# Allegro board 20173009_BALENA-FIN_V10.brd (continued)
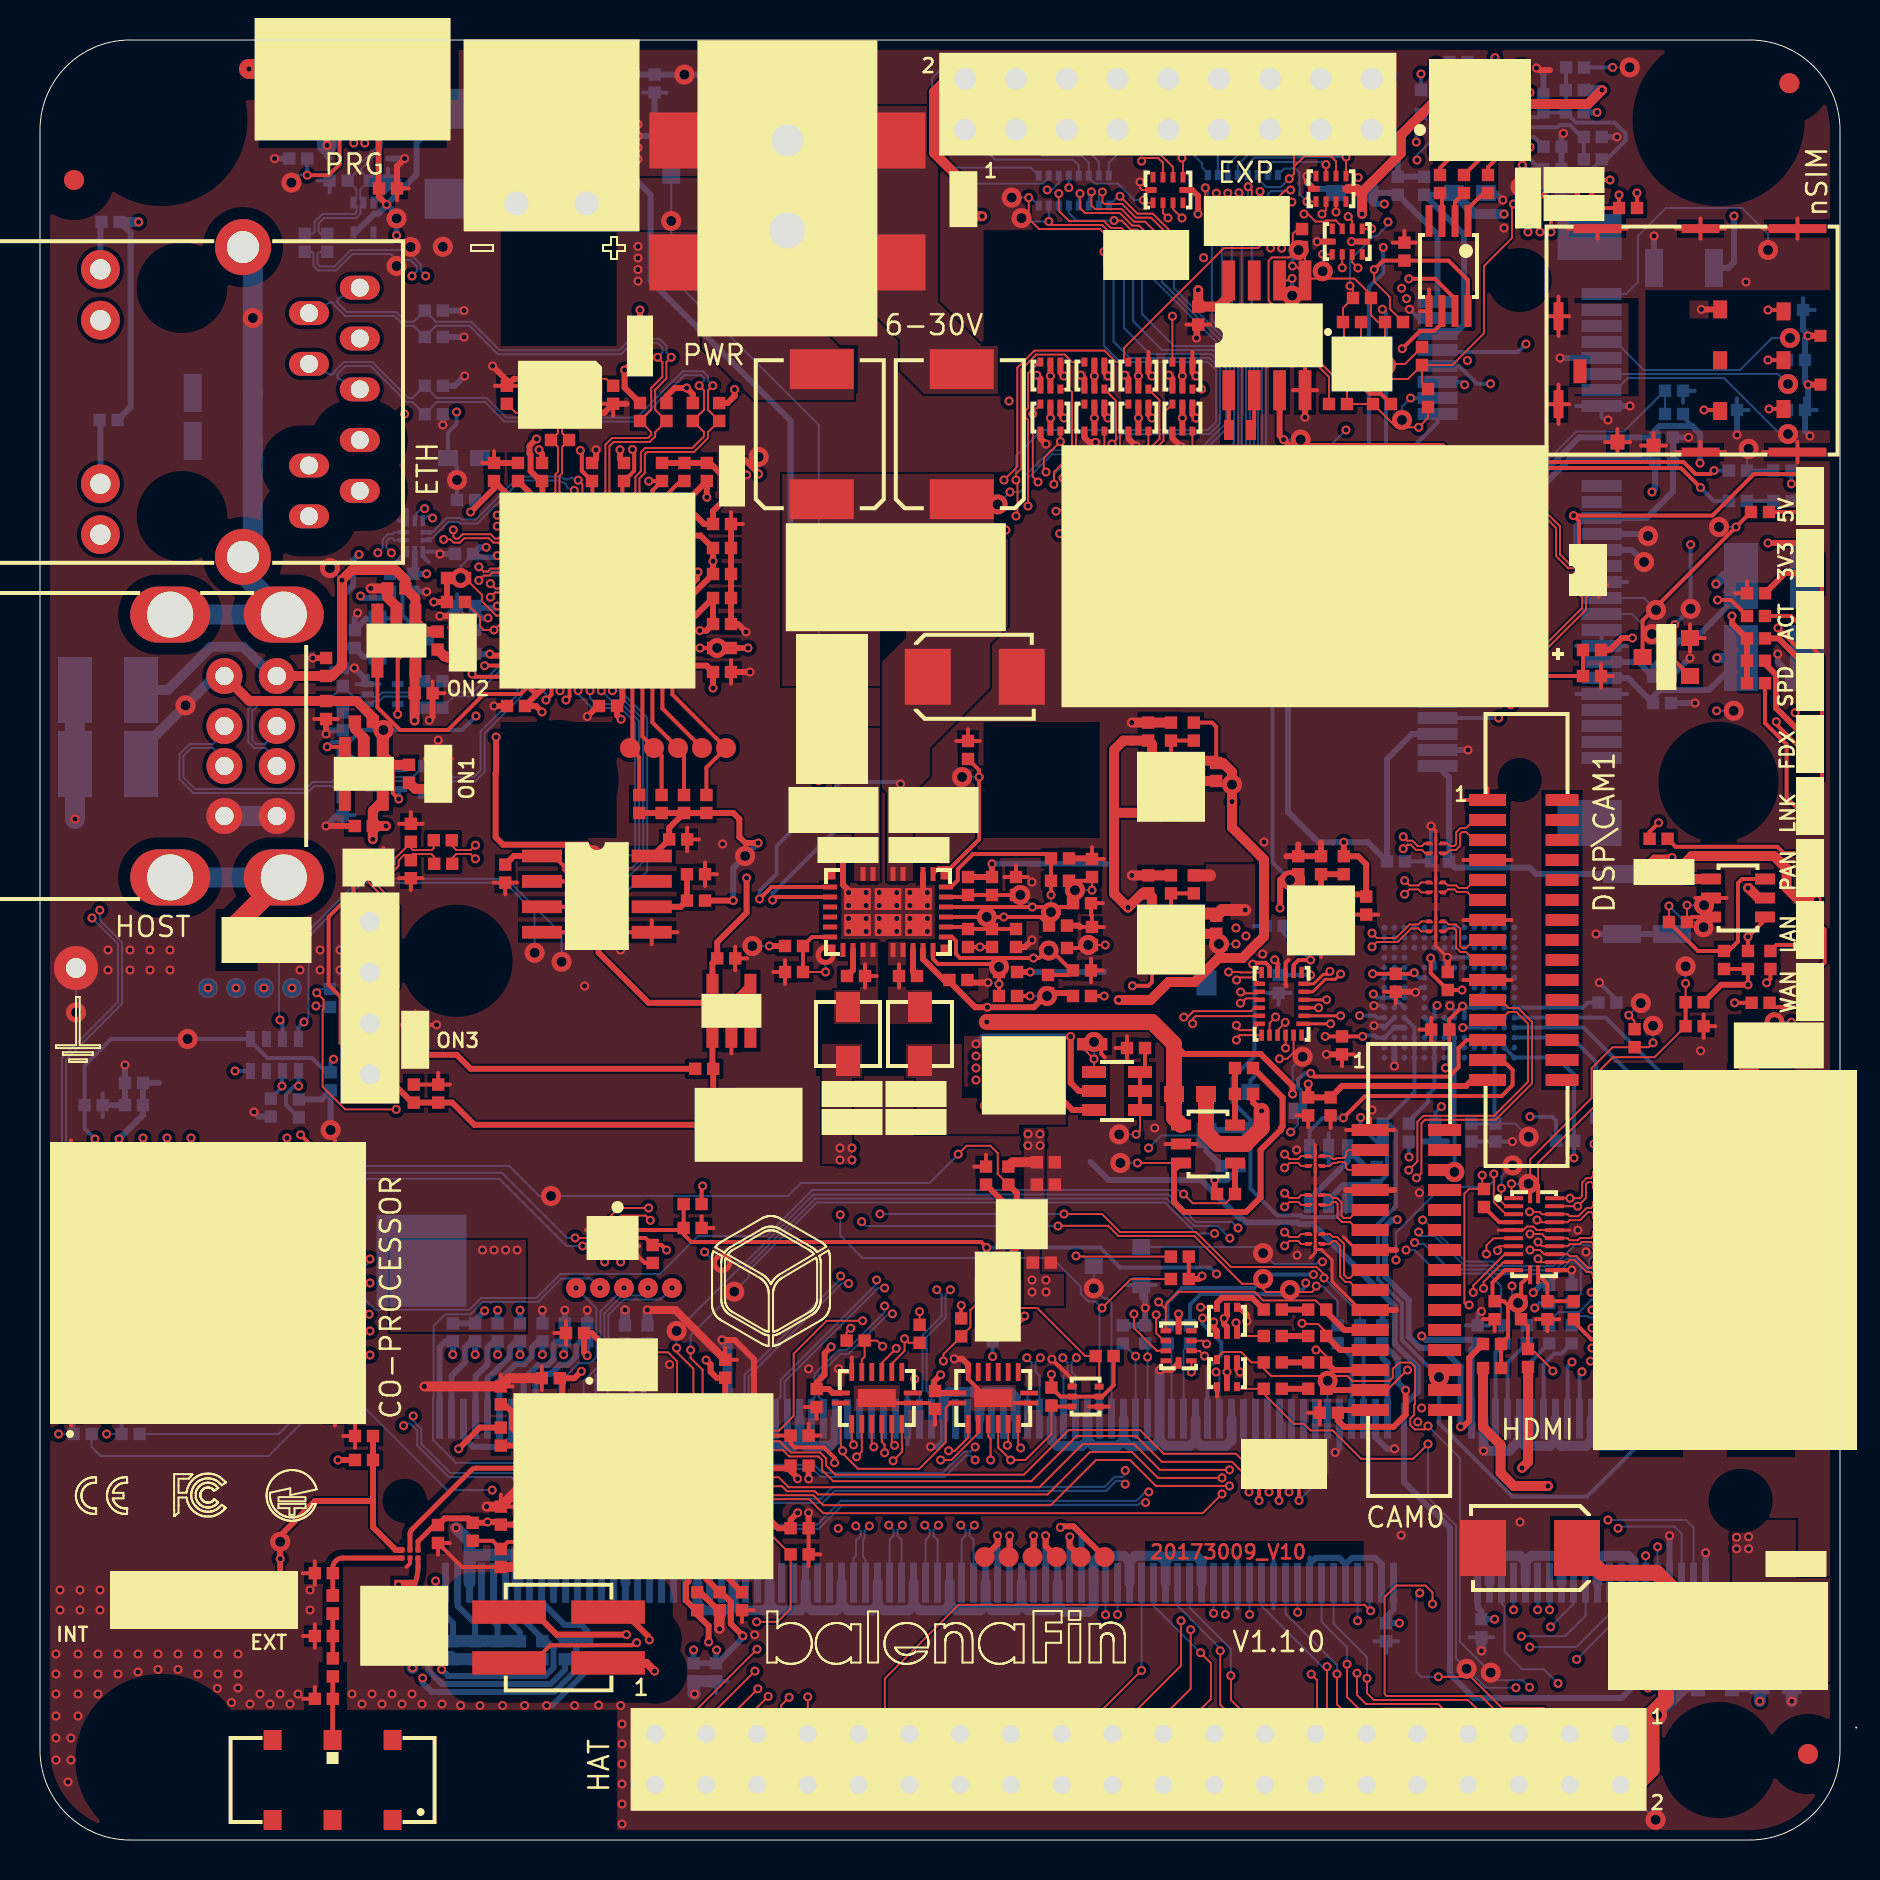
[diagram p0: board, top side]
## Routing (per net, layer and track width the routed paths; a pad name or vN(x,y) marks a point on that pad's centre or on a via; arc(x,y) is an arc through that point) (continued)
GND_EARTH: length 48.2
  TOP w1: C134.2 9.83,45.77 J11.11
  GND w1: J11.12 J11.9
  BOTTOM w1: J11.12 J11.11 ; J20.16 10.64,79.16 v2(10.64,76.1) R96.2 C71.2 10.64,64.65 J20.15 10.15,63.31 J11.10 J11.9
VDDM: length 7
  BOTTOM w0.1: C107.2 73.77,35.82 v2(74.43,35.16)
  BOTTOM w0.2: U17.C2 U17.C1 72.72,36.41 72.77,36.36 C107.2 C108.2
VIN_CON: length 2.6
  BOTTOM w0.1: J21.1 v2(27.33,84.4)
+VALIM: length 14.3
  TOP w0.2: U27.11 36.57,47.65 v1(35.98,47.05)
  BOTTOM w0.2: v1(43.03,52.8) 42.93,52.9 40.03,52.9 36.83,49.7 36.83,48.3 35.98,47.45 v1(35.98,47.05)
ARTIK-RX_CM3-TX: length 20.4
  TOP w0.1: MOD2.23 v1(11.15,31.9) ; U29.5 v1(27.13,29.7)
  BOTTOM w0.1: v1(11.15,31.9) 11.15,32.29 11.92,33.06 22.97,33.06 26.33,29.7 v1(27.13,29.7)
ARTIK-TX_CM3-RX: length 21.5
  TOP w0.1: MOD2.24 v1(9.95,31.9) ; U29.4 27.13,30.1 27.13,30.1 v1(26.76,30.1)
  BOTTOM w0.1: v1(26.76,30.1) 26.35,30.1 23.09,33.36 11.41,33.36 v1(9.95,31.9)
BT_PCM_CLK: length 85.9
  TOP w0.1: U33.6 48.41,19.78 v1(48.37,19.74) ; v1(32.53,24.5) 32.53,24.1 33.13,23.5 33.13,21.48 MOD1.C1
  INT2 w0.1: v1(68.73,29.87) 68.5,30.11 68.5,32.28 67.68,33.1 61.3,33.1 58.73,30.53 v1(58.73,30.33)
  INT4 w0.1: v1(48.37,19.74) 48.37,23.67 49.2,24.5 52.33,24.5 53.81,23.03 60.45,23.03 61.23,23.8 61.23,27.82 v1(58.73,30.33)
  BOTTOM w0.1: R7.2 77.04,27.31 77.04,28.57 76.74,28.88 76.42,28.88 75.84,28.29 72.74,28.29 72.51,28.52 70.47,28.52 69.2,29.8 68.81,29.8 v1(68.73,29.87) ; v1(32.53,24.5) 32.53,25.23 v2(34.71,27.42) 35.43,28.13 35.43,28.46 38.84,31.88 56.25,31.88 57.8,30.33 v1(58.73,30.33)
BT_PCM_CLK_I2C_SDA: length 44.8
  TOP w0.1: U33.7 48.91,19.72 v1(49.03,19.6)
  INT4 w0.1: v1(69.13,31) 68.99,31 67.03,29.04 67.03,26.08 63.77,22.83 49.69,22.83 49.03,22.17 v1(49.03,19.6)
  BOTTOM w0.1: v1(69.13,31) 69.21,31 71.29,28.93 72.67,28.93 72.91,28.69 75.67,28.69 76.76,29.77 77.46,29.77 77.67,29.56 77.67,29.24 77.46,29.02 77.46,28.72 78.14,28.04 78.14,26.5 77.76,26.12 77.44,26.12 77.38,26.19 76.83,26.19 76.58,25.95 R8.2
BT_PCM_IN: length 56.9
  TOP w0.1: MOD1.D1 32.67,21.54 32.67,23.56 31.83,24.4 v1(31.83,24.6)
  INT2 w0.1: v1(59.49,30.09) 59.49,31.01 61.38,32.9 67.6,32.9 68.3,32.2 v1(68.3,29.5)
  BOTTOM w0.1: v1(68.3,29.5) 68.72,29.5 69.9,28.33 72.42,28.33 73.05,27.7 73.05,27.18 73.05,25.9 R12.2 ; v1(59.49,30.09) 58.88,30.7 57.71,30.7 56.34,32.08 38.76,32.08 35.33,28.65 35.03,28.65 v2(31.83,25.45) v1(31.83,24.6)
BT_PCM_OUT: length 57.4
  TOP w0.1: MOD1.C2 33.32,20.02 v1(33.61,19.73)
  INT1 w0.1: v1(73.6,27.7) 73.6,26.83 68.7,21.93 68.7,21.09 v1(68.89,20.9)
  INT2 w0.1: v1(33.61,19.73) 33.61,19.79 34.72,20.9 36.5,20.9 39.3,18.1 39.3,15.66 41.73,13.22 52.05,13.22 52.53,13.7 64.85,13.7 68.7,17.55 68.7,20.6 68.89,20.79 v1(68.89,20.9)
  BOTTOM w0.1: v1(73.6,27.7) 73.6,27.15 v2(73.9,26.85) 73.9,26.17 R11.2
BT_PCM_SYNC: length 79.3
  TOP w0.1: MOD1.D2 32.87,20.84 34.41,20.84 34.78,20.47 36.95,20.47 37.68,21.21 37.68,24.31 39.33,25.96 v1(41.13,25.96) ; U33.3 46.91,20.34 45.57,19 v1(45.03,19)
  INT1 w0.1: v1(69.08,21.6) 69.08,22.03 73.65,26.6 v1(74.74,26.6)
  INT2 w0.1: v1(41.13,25.96) 41.13,25.36 40,24.23 39.97,24.23 39.75,24.02 39.75,23.98 39.35,23.58 39.35,18.71 41.12,16.94 41.12,16.79 v1(39.91,15.58) 42.07,13.42 51.97,13.42 52.44,13.9 64.77,13.9 68.5,17.63 68.5,21.2 68.9,21.6 v1(69.08,21.6)
  INT4 w0.1: v1(39.91,15.58) 40.14,15.58 40.63,16.08 41.25,16.08 44.17,19 v1(45.03,19)
  BOTTOM w0.2: R10.2 74.99,26.85 v1(74.74,26.6)
BT_PCM_SYNC_I2C_SCL: length 44.5
  TOP w0.1: v1(47.53,19) 47.53,20.06 47.41,20.18 U33.4
  INT4 w0.1: v1(47.53,19) 47.91,18.62 49.2,18.62 53.2,22.62 63.86,22.62 67.23,26 67.23,28.96 68.67,30.4 v1(68.93,30.4)
  BOTTOM w0.1: R9.2 75.46,25.93 75.92,26.39 76.95,26.39 77.58,27.02 77.72,27.02 77.94,27.23 77.94,27.96 76.82,29.08 76.34,29.08 75.76,28.49 72.83,28.49 72.59,28.73 71.2,28.73 69.73,30.2 69.03,30.2 68.93,30.3 v1(68.93,30.4)
CAM0_CN: length 34.8
  TOP w0.1: v1(60.03,42.4) 60.09,42.34 60.89,42.34 U31.14
  INT1 w0.1: v1(60.03,42.4) 59.88,42.25 59.87,42.25 59.82,42.2 59.26,42.2 58.73,41.68 58.73,40.65 49.53,31.45 45.58,31.45 42.39,28.26 42.09,28.26 v1(41.83,28)
  BOTTOM w0.1: J2.144 36.78,21.91 37.03,22.16 37.03,23.01 41.83,27.81 v1(41.83,28)
CAM0_CP: length 34.5
  TOP w0.1: U31.15 60.89,42.09 60.31,42.09 60.07,41.84 v1(60.03,41.84)
  INT1 w0.1: v1(60.03,41.84) 59.87,42 59.34,42 58.93,41.59 58.93,40.57 49.61,31.25 45.66,31.25 42.49,28.08 42.49,27.86 v1(42.23,27.6)
  BOTTOM w0.1: J2.142 37.38,21.91 37.23,22.06 37.23,22.93 41.91,27.6 v1(42.23,27.6)
CAM0_DN0: length 35.5
  TOP w0.1: v1(59.43,43.4) 60,43.4 60.02,43.38 U31.12
  INT3 w0.1: v1(59.43,43.4) 59.23,43.2 59.23,43 58.83,42.6 57.38,42.6 52.37,37.6 49.65,37.6 48.33,36.28 48.33,34.35 43.08,29.1 43.08,27.25 42.55,26.72 42.25,26.72 v1(42.23,26.7)
  BOTTOM w0.1: v1(42.23,26.7) 42.23,26.4 40.33,24.5 39.93,24.5 38.73,23.3 38.73,22.16 38.58,22.01 J2.138
CAM0_DN1: length 35.9
  TOP w0.1: v1(57.19,41.15) 57.36,41.15 57.38,41.17 57.4,41.17 57.68,41.44 60.55,41.44 60.72,41.61 U31.16
  INT1 w0.1: v1(40.03,28.2) 40.3,28.47 40.5,28.47 44.38,32.35 48.71,32.35 57,40.64 57,40.89 v1(57.19,41.15)
  BOTTOM w0.1: J2.150 34.98,22.06 35.23,22.31 35.23,23.26 40.03,28.06 v1(40.03,28.2)
CAM0_DP0: length 35
  TOP w0.1: v1(59.83,43) 59.96,43.13 60.64,43.13 U31.13
  INT3 w0.1: v1(42.62,26.31) 42.62,26.51 43.28,27.17 43.28,29.02 48.53,34.27 48.53,36.2 49.73,37.4 52.46,37.4 57.46,42.4 58.92,42.4 59.41,42.9 59.73,42.9 v1(59.83,43)
  BOTTOM w0.1: v1(42.62,26.31) 42.42,26.31 40.41,24.3 40.01,24.3 38.93,23.22 38.93,22.16 39.18,21.91 J2.136
CAM0_DP1: length 35.5
  TOP w0.1: U31.17 60.92,41.25 60.71,41.25 60.66,41.19 57.78,41.19 57.63,41.04 v1(57.63,40.82)
  INT1 w0.1: v1(57.63,40.82) 57.4,40.51 57.19,40.48 57.12,40.48 48.79,32.15 44.46,32.15 40.69,28.38 40.69,28.09 v1(40.43,27.82)
  BOTTOM w0.1: v1(40.43,27.82) 40.08,27.82 35.43,23.18 35.43,22.23 35.43,22.21 35.58,22.06 J2.148
CAM0_SCL: length 19
  TOP w0.1: v1(45.43,19.46) 45.75,19.46 46.41,20.12 U33.2 ; v1(45.17,23.95) 45.17,24.29 R24.2 46.52,25.64 46.52,26.5 47.13,27.11 48.42,27.11 48.93,26.6 49.86,26.6 52.26,24.2 R319.2 52.95,24.03 DS1.3
  INT4 w0.1: v1(45.17,23.95) 45.43,23.69 v1(45.43,19.46)
CAM0_SCL_EXT: length 28
  TOP w0.1: U32.14 41.09,24.03 41.23,24.17 R23.1 41.84,24.97 v1(42.13,24.69) ; v1(58.33,24.8) 58.17,24.96 TVS2.8
  INT3 w0.1: v1(58.33,24.8) 58.16,24.8 57,23.64 57,23.25 51.97,18.23 43.97,18.23 43.33,18.86 43.33,23.16 42.13,24.36 v1(42.13,24.69)
CAM0_SDA: length 13.4
  TOP w0.1: U33.5 47.91,19.62 v1(48.53,19) 49.27,19 50.57,20.3 R318.2
  TOP w0.2: R318.2 50.62,21.67 DS1.6
  INT3 w0.1: v1(47.63,24.18) 47.63,19.9 v1(48.53,19)
  BOTTOM w0.2: R26.2 v1(47.63,24.18)
CAM0_SDA_EXT: length 30.1
  TOP w0.1: R25.1 43.43,24.86 v1(43.23,25.06) 43.23,24.46 42.59,23.82 U32.11 ; v1(58.23,24.2) 57.97,24.46 TVS2.7
  INT3 w0.1: v1(43.23,25.06) 41.97,25.06 41.75,24.84 41.75,24.43 43.13,23.06 43.13,18.4 43.5,18.03 52.06,18.03 57.2,23.16 57.2,23.56 57.84,24.2 v1(58.23,24.2)
CAM1_CK+_EXT: length 4.4
  TOP w0.1: L13.1 64.49,29.8 64.64,29.95 64.78,29.95 65,29.73 65,28.18 65.28,27.9 65.5,27.9 65.9,27.5 J10.9
CAM1_CK-_EXT: length 4.4
  TOP w0.1: L13.2 64.49,30.3 64.64,30.15 64.86,30.15 65.2,29.81 65.2,28.26 65.36,28.1 65.5,28.1 65.9,28.5 J10.8
CAM1_CN: length 42.2
  TOP w0.1: L13.3 63.06,30.3 62.91,30.15 62.47,30.15 v1(62.23,30.39)
  INT1 w0.1: v1(62.23,30.39) 61.99,30.15 61.77,30.15 61.55,29.93 61.55,28.6 62.15,28 62.15,22.93 56.42,17.2 55.64,17.2 v1(55.44,17.4)
  BOTTOM w0.1: v1(55.44,17.4) 55.24,17.4 55.14,17.3 55.14,17.26 54.83,16.96 40.05,16.96 38.85,15.76 35.7,15.76 35.48,15.54 35.48,15.21 35.28,15.01 J2.149
CAM1_CP: length 41.7
  TOP w0.1: L13.4 63.06,29.8 62.91,29.95 62.47,29.95 v1(62.23,29.71)
  INT1 w0.1: v1(55.28,16.88) 55.41,17 56.5,17 62.35,22.85 62.35,28.08 61.75,28.68 61.75,29.85 61.85,29.95 61.99,29.95 v1(62.23,29.71)
  BOTTOM w0.1: v1(55.28,16.88) 55.03,16.88 54.92,16.76 40.13,16.76 38.93,15.56 35.78,15.56 35.68,15.46 35.68,15.21 35.88,15.01 J2.147
CAM1_D0+_EXT: length 2.8
  TOP w0.1: L11.1 64.49,33.7 64.64,33.85 64.86,33.85 64.91,33.9 65.21,33.9 65.31,33.8 65.31,33.6 65.41,33.5 J10.3
CAM1_D0-_EXT: length 2.8
  TOP w0.1: J10.2 65.41,34.5 65.31,34.4 65.31,34.2 65.21,34.1 64.83,34.1 64.78,34.05 64.64,34.05 64.49,34.2 L11.2
CAM1_D1+_EXT: length 3.5
  TOP w0.1: J10.6 65.9,30.5 65.5,30.9 65.1,30.9 64.88,31.12 64.88,31.8 64.78,31.9 64.64,31.9 64.49,31.75 L12.1
CAM1_D1-_EXT: length 3.5
  TOP w0.1: L12.2 64.49,32.25 64.64,32.1 64.86,32.1 65.08,31.88 65.08,31.2 65.18,31.1 65.5,31.1 65.9,31.5 J10.5
CAM1_DN0: length 46.1
  TOP w0.1: L11.3 63.06,34.2 62.91,34.05 62.47,34.05 v1(62.23,34.29)
  INT1 w0.1: v1(46.76,19.65) 46.96,19.45 47.1,19.45 48.03,20.38 51.56,20.38 53.4,22.22 53.4,25 53.8,25.4 53.8,26.78 61.07,34.05 61.99,34.05 v1(62.23,34.29)
  BOTTOM w0.1: v1(46.76,19.65) 46.53,19.42 46.21,19.42 45.15,18.36 39.11,18.36 38.71,18.76 34.55,18.76 33.56,17.78 32.55,17.78 31.88,17.11 31.88,15.21 31.68,15.01 J2.161
CAM1_DN1: length 46.3
  TOP w0.1: L12.3 63.06,32.25 62.91,32.1 62.47,32.1 v1(62.23,32.34)
  INT1 w0.1: v1(54.26,18.48) 54.54,18.2 56.46,18.2 61.3,23.04 61.3,27.62 60.6,28.32 60.6,31.5 61.2,32.1 61.99,32.1 v1(62.23,32.34)
  BOTTOM w0.1: J2.155 33.48,15.01 33.68,15.21 33.68,16.24 34.5,17.06 39.05,17.06 39.65,17.66 53.23,17.66 53.73,18.16 54.13,18.16 54.26,18.29 v1(54.26,18.48)
CAM1_DP0: length 45.8
  TOP w0.1: L11.4 63.06,33.7 62.91,33.85 62.47,33.85 v1(62.23,33.61)
  INT1 w0.1: v1(46.76,19) 46.79,19 46.97,19.18 47.11,19.18 48.11,20.18 51.64,20.18 53.6,22.14 53.6,24.92 54,25.32 54,26.7 61.15,33.85 61.99,33.85 v1(62.23,33.61)
  BOTTOM w0.1: v1(46.76,19) 46.75,19 46.53,19.22 46.29,19.22 45.23,18.16 39.03,18.16 38.63,18.56 34.63,18.56 33.65,17.57 32.63,17.57 32.08,17.03 32.08,15.21 32.28,15.01 J2.159
CAM1_DP1: length 45.8
  TOP w0.1: L12.4 63.06,31.75 62.91,31.9 62.47,31.9 v1(62.23,31.66)
  INT1 w0.1: v1(62.23,31.66) 61.99,31.9 61.28,31.9 60.8,31.42 60.8,28.4 61.5,27.7 61.5,22.96 56.54,18 54.47,18 v1(54.26,17.8)
  BOTTOM w0.1: J2.153 34.08,15.01 33.88,15.21 33.88,16.16 34.58,16.86 39.13,16.86 39.73,17.46 53.31,17.46 53.81,17.96 54.1,17.96 v1(54.26,17.8)
CAM1_IO0: length 11.2
  TOP w0.1: DS4.3 58.03,26.64 v1(58.03,26.64)
  TOP w0.3: R82.2 60.6,27.11 59.1,27.11 58.85,26.86 DS4.3
  INT1 w0.1: v1(55.38,24.15) 55.54,24.15 v1(58.03,26.64)
  BOTTOM w0.1: J2.82 v1(55.38,24.15) 55.38,24.71 R18.2
CAM1_IO0_EXT: length 33.8
  TOP w0.1: U32.2 40.59,19.85 v1(40.68,19.76) ; 56.29,26.54 v1(55.93,26.9) ; 56.29,26.54 56.29,26.79 56.91,27.41 60.72,27.41 61.15,26.98 63.78,26.98 64.24,26.52 R81.1 ; 56.29,26.54 TVS2.1
  TOP w0.3: R81.1 64.31,26.41 65.22,25.5 J10.11
  INT4 w0.1: v1(55.93,26.9) 55.86,26.98 54.81,26.98 54.03,26.2 53.58,26.2 52.68,25.3 46.71,25.3 46.49,25.09 43.85,25.09 40.69,21.93 40.69,19.77 v1(40.68,19.76)
CAM1_IO1: length 12.1
  TOP w0.1: DS4.6 59.94,25.2 R84.2
  TOP w0.3: DS4.6 59.85,25.75 59.8,25.8 v1(59.8,25.86)
  INT1 w0.1: v1(59.8,25.86) 59.8,25.8 59.3,25.3 57.06,25.3 55.54,23.77 55.22,23.77 54.81,24.19 v1(54.78,24.19)
  BOTTOM w0.1: J2.84 v1(54.78,24.19) R20.2
CAM1_IO1_EXT: length 34.5
  TOP w0.1: U32.5 42.09,19.9 42.23,19.76 v1(42.23,19.36) ; TVS2.2 56.19,24.96 55.81,25.34 v1(55.81,26.26) ; v1(63.1,25.84) 63.1,25.8 63.9,25.8 64.31,25.39 R83.1
  TOP w0.3: J10.12 65.01,24.5 R83.1
  INT2 w0.1: v1(55.81,26.26) 55.89,26.26 56.8,27.18 62.74,27.18 63.1,26.82 v1(63.1,25.84)
  INT4 w0.1: v1(55.81,26.26) 55.35,25.8 53.75,25.8 52.85,24.9 46.87,24.9 46.66,24.69 44.02,24.69 42.23,22.9 v1(42.23,19.36)
CAM1_SCL_EXT: length 38.2
  TOP w0.1: U32.3 41.09,19.42 v1(40.83,19.16) ; TVS2.3 55.84,24.46 54.7,25.6 v1(54.7,26.3) ; v1(63.8,24.51) 63.8,24.5 64,24.5 64.31,24.19 R85.1
  TOP w0.3: J10.13 64.69,23.5 R85.1
  INT2 w0.1: v1(63.8,24.51) 63.8,26.4 62.83,27.38 55.47,27.38 54.7,26.6 v1(54.7,26.3)
  INT4 w0.1: v1(40.83,19.16) 41.13,19.46 41.13,22.08 43.93,24.89 46.58,24.89 46.79,25.1 52.76,25.1 53.66,26 54.4,26 v1(54.7,26.3)
CAM1_SDA_EXT: length 48.4
  TOP w0.1: v1(42.73,19.73) 42.59,19.88 U32.6 ; v1(68.38,23.5) 68.36,23.5 67.36,22.5 J10.14 ; TVS2.6 v1(57.57,23.4)
  TOP w0.3: J10.14 64.37,22.5 R87.1
  INT2 w0.1: v1(68.38,23.5) 68.38,24.93 66.5,26.8 63.8,26.8 62.9,27.7 55.52,27.7 54.33,26.51 54.33,25.78 56.7,23.4 v1(57.57,23.4)
  INT4 w0.1: v1(57.57,23.4) 55.37,25.6 53.83,25.6 52.93,24.7 46.95,24.7 46.74,24.49 44.1,24.49 42.73,23.12 v1(42.73,19.73)
CAM_DIS_PIN11: length 51.5
  TOP w0.1: v1(68.83,33.11) 69.07,33.35 69.07,35.83 69.25,36.01 72.78,36.01 74.6,37.83 74.6,40.9 73.9,41.6 73.44,41.6 73.04,42 J3.11 ; v1(41.69,19.66) 41.59,19.76 U32.4
  INT2 w0.1: v1(41.69,19.66) 41.69,21.54 50.05,29.9 55.78,29.9 56.68,30.8 57.36,30.8 61.47,34.91 66.6,34.91 67.78,33.74 67.78,33.6 68.27,33.11 v1(68.83,33.11)
CAM_DIS_PIN12: length 53.8
  TOP w0.1: J3.12 73.02,41 73.42,41.4 73.82,41.4 74.4,40.82 74.4,37.91 72.7,36.21 69.17,36.21 68.87,35.91 68.87,33.93 v1(68.44,33.49) ; U32.7 43.09,19.91 43.11,19.89 43.11,19.58 43.09,19.56 43.09,19.39 v1(42.66,18.96)
  INT2 w0.1: v1(68.44,33.49) 68.05,33.88 67.92,33.88 66.69,35.11 63.35,35.11 62.69,35.78 62.06,35.78 57.28,31 56.6,31 55.7,30.1 49.97,30.1 41.31,21.45 41.31,19.5 41.86,18.96 v1(42.66,18.96)
CAM_DIS_PIN13: length 50.5
  TOP w0.1: U32.12 42.09,23.86 v1(42.81,24.58)
  TOP w0.2: J3.13 71.33,40 70.93,39.6 70.93,38.65 70.45,38.17 63.7,38.17 v1(63.54,38.33)
  INT3 w0.1: v1(62.53,35.4) 62.23,35.1 61.33,35.1 60.03,33.8 60.03,32.8 53.73,26.5 53.73,21.9 50.45,18.62 44.77,18.62 44.13,19.26 44.13,23.86 43.41,24.58 v1(42.81,24.58)
  BOTTOM w0.1: v1(62.53,35.4) 62.9,35.77 Q21.3
  BOTTOM w0.2: Q21.3 63.06,36.61 63.06,37.48 62.9,37.63 62.9,38.02 63.22,38.33 v1(63.54,38.33)
CAM_DIS_PIN14: length 51.4
  TOP w0.1: v1(43.74,23.05) 43.74,22.6 43.74,22.59 43.74,22.45 U32.9
  TOP w0.2: J3.14 73.13,39 73.63,38.5 73.63,37.74 73.09,37.2 66.26,37.2 v1(65.17,36.11)
  INT3 w0.1: v1(65.17,36.11) 65.12,36.11 63.91,34.9 61.41,34.9 60.23,33.72 60.23,32.72 53.93,26.42 53.93,21.82 50.54,18.43 44.05,18.43 43.74,18.74 v1(43.74,23.05)
  BOTTOM w0.2: Q20.4 63.48,35.45 64.13,36.1 65.13,36.1 65.14,36.11 v1(65.17,36.11)
CM3_RX: length 42.8
  TOP w0.1: v1(63.81,27.7) 63.81,27.61 63.6,27.4 61.3,27.4 60.89,27.81 60.11,27.81 57.72,30.2 53.92,30.2 53.41,30.71 50.91,30.71 v1(50.9,30.7) ; v1(30.43,31.6) 28.93,31.6 28.43,31.1 U29.2
  INT1 w0.1: v1(30.43,31.6) 33.83,28.2 37.4,28.2 39.8,30.6 40.77,30.6 v1(41.08,30.92)
  BOTTOM w0.1: v1(41.08,30.92) 41.3,30.7 v1(50.9,30.7) ; R15.2 64.88,26.95 64.13,27.7 v1(63.81,27.7)
CM3_TX: length 43
  TOP w0.1: v1(51.2,31.3) 53.1,31.3 54,30.4 57.8,30.4 59.55,28.65 63.83,28.65 64.2,28.28 v1(64.2,28.1) ; v1(30.51,30.98) 30.28,31.22 29.05,31.22 28.83,31 U29.1
  INT1 w0.1: v1(30.51,30.98) 33.5,28 37.48,28 39.88,30.4 41.1,30.4 v1(42,31.3)
  BOTTOM w0.1: R14.2 66,26.3 v1(64.2,28.1) ; v1(42,31.3) v1(51.2,31.3)
D+_DBG: length 11.8
  TOP w0.1: v1(15.69,84.85) 15.78,84.94 15.78,85.72 J13.3
  BOTTOM w0.1: R115.2 14.03,80.31 13.93,80.41 13.93,80.81 14.21,81.1 15.81,81.1 16.03,81.32 16.03,81.73 TVS5.2 16.01,82.03 16.01,82.51 16.47,82.97 C87.1 16.06,83.41 16.06,83.56 17.01,84.51 17.01,84.53 17.1,84.62 17.1,85.58 16.78,85.9 16.2,85.9 15.85,85.55 15.85,85.01 v1(15.69,84.85)
D+_HOST1: length 17.2
  BOTTOM w0.1: J11.3 9.22,54.02 8.64,54.6 7.57,54.6 7.17,54.2 7.17,53.13 7.75,52.55 13.28,52.55 13.63,52.9 14.58,52.9 C69.1 15.7,52.9 16.27,52.9 16.42,53.05 TVS3.2 16.72,53.05 16.87,52.9 17.37,52.9 17.61,53.14 18.64,53.14 R91.2
D+_HOST2: length 13.7
  BOTTOM w0.1: J11.7 11.84,54.02 11.26,54.6 10.72,54.6 10.41,54.91 10.41,56.53 11.02,57.14 14.58,57.14 C78.1 15.7,57.14 16.1,57.14 16.25,57.29 TVS4.2 16.54,57.29 16.69,57.14 16.87,57.14 17.11,57.38 18.66,57.38 R109.2
D+_HOST_INT: length 13.6
  TOP w0.1: R296.2 19.69,49.6 19.59,49.5 18.64,49.5 18.54,49.6 18.54,49.87 ; J23.3 16.5,42.3 16.6,42.2 17.19,42.2 17.73,42.74 17.73,46.58 16.43,47.88 16.43,48.25 16.74,48.56 17.06,48.56 TVS19.2 17.28,48.56 17.5,48.56 17.73,48.79 17.73,49.06 18.54,49.87 ; 18.54,49.87 C238.1
D-_DBG: length 11.2
  TOP w0.1: J13.2 16.13,85.72 16.13,84.96 v1(16.24,84.85)
  BOTTOM w0.1: R114.2 13.63,80.31 13.73,80.41 13.73,80.9 14.13,81.3 15.73,81.3 15.83,81.4 15.83,81.71 TVS5.1 15.81,82.01 15.81,82.54 C86.1 15.84,83.43 15.84,83.64 16.9,84.7 16.9,85.5 16.7,85.7 16.28,85.7 16.05,85.47 16.05,85.04 v1(16.24,84.85)
D-_HOST1: length 17.8
  BOTTOM w0.1: R92.2 18.64,52.94 17.69,52.94 17.45,52.7 16.87,52.7 16.72,52.55 TVS3.1 16.42,52.55 16.27,52.7 15.7,52.7 C68.1 14.58,52.7 13.71,52.7 13.36,52.35 7.67,52.35 6.97,53.05 6.97,54.28 7.49,54.8 8.63,54.8 9.22,55.39 J11.2
D-_HOST2: length 13.1
  BOTTOM w0.1: R108.2 18.66,57.18 17.19,57.18 16.95,56.94 16.69,56.94 16.54,56.79 TVS4.1 16.25,56.79 16.1,56.94 15.7,56.94 C77.1 14.58,56.94 11.1,56.94 10.61,56.45 10.61,54.99 10.8,54.8 11.25,54.8 11.84,55.39 J11.6
D-_HOST_INT: length 13.4
  TOP w0.1: R295.2 19.71,49.16 19.57,49.3 18.64,49.3 18.54,49.2 18.54,49.09 ; J23.2 16.5,41.9 16.6,42 17.27,42 17.93,42.66 17.93,46.66 16.63,47.96 16.63,48.17 16.73,48.27 17.07,48.27 TVS19.1 17.26,48.26 17.49,48.26 17.85,48.62 17.93,48.7 17.93,48.98 18.2,49.25 18.39,49.25 18.54,49.09 ; 18.54,49.09 C237.1
DBG_UP-RX_DEV-TX: length 125.9
  TOP w0.1: RR3.5 v1(60.59,80.81) ; v1(52.59,66.91) 52.82,66.91 55.97,70.06 55.97,71.99 DS26.6
  TOP w0.2: MOD2.6 v1(7.55,23.8)
  INT2 w0.1: v1(7.55,23.8) 7.55,19.95 13.6,13.9 23.15,13.9 26.25,17 26.25,20.2 27.95,21.9 36.05,21.9 37.1,22.95 37.1,31.69 38.1,32.69 38.1,53.22 50.94,66.06 51.98,66.06 52.59,66.68 v1(52.59,66.91)
  BOTTOM w0.1: v1(52.59,66.91) 53.5,66 58.11,66 61.3,69.19 61.3,74.39 60.59,75.1 v1(60.59,80.81) ; v1(7.55,23.8) v2(7.55,25.27)
DBG_UP-RX_DEV-TX_EXT: length 15.5
  TOP w0.1: TVS18.1 v1(65.3,84.15)
  INT2 w0.1: v1(65.3,84.15) 65.13,84.32 61,84.32 60.16,85.16 60.16,86.86 J14.12
  BOTTOM w0.1: RR2.13 60.39,83.79 60.72,84.12 62.92,84.12 62.95,84.15 v1(65.3,84.15)
DBG_UP-TX_DEV-RX: length 120.6
  TOP w0.1: 54.2,73.9 53.81,73.9 53.23,74.47 49.72,74.47 48.87,73.61 48.87,68.66 v1(48.2,68) ; 54.2,73.9 54.2,74.6 59.2,79.6 60.9,79.6 61.09,79.79 RR3.6 ; 54.2,73.9 54.42,73.9
  TOP w0.2: MOD2.5 v1(6.35,23.8)
  INT1 w0.1: v1(48.2,68) 48.12,67.93 48.12,66.28 49.08,65.32 v1(50.98,65.32)
  INT2 w0.1: v1(50.98,65.32) 50.97,65.3 50.46,65.3 38.3,53.14 38.3,32.6 37.3,31.6 37.3,22.87 36.13,21.7 28.03,21.7 26.45,20.12 26.45,16.92 23.23,13.7 13.52,13.7 6.35,20.87 v1(6.35,23.8)
  BOTTOM w0.1: v2(6.35,22.95) v1(6.35,23.8)
DBG_UP-TX_DEV-RX_EXT: length 10.9
  TOP w0.1: 62.7,83.67 62.7,83.3 v1(62.47,83.06) ; 62.7,83.67 63.23,84.2 64.53,84.2 64.8,83.93 TVS18.2 ; 62.7,83.67 62.7,86.86 J14.14
  BOTTOM w0.1: v1(62.47,83.06) 62.04,82.64 61.32,82.64 60.89,83.07 RR2.14
DISP_CLK+_CAM0_D1+_EXT: length 2.5
  TOP w0.1: J3.6 71.76,47 71.36,47.4 70.86,47.4 70.73,47.53 70.4,47.53 70.25,47.38 L3.3
DISP_CLK-_CAM0_D1-_EXT: length 2.5
  TOP w0.1: L3.4 70.24,47.88 70.39,47.73 70.81,47.73 70.94,47.6 71.35,47.6 71.75,48 J3.5
DISP_D0+_CAM0_CK+_EXT: length 3.5
  TOP w0.1: J3.9 71.7,44 71.3,44.4 71.03,44.4 70.81,44.62 70.81,45.48 70.71,45.58 70.43,45.58 70.28,45.43 L4.3
DISP_D0-_CAM0_CK-_EXT: length 3.5
  TOP w0.1: L4.4 70.27,45.93 70.42,45.78 70.79,45.78 71.01,45.56 71.01,44.7 71.11,44.6 71.3,44.6 71.7,45 J3.8
DISP_D1+_CAM0_D0+_EXT: length 3.2
  TOP w0.1: J3.3 71.7,50 71.3,50.4 71.11,50.4 71.01,50.3 71.01,49.72 70.79,49.5 70.5,49.5 70.33,49.33 L2.3
DISP_D1-_CAM0_D0-_EXT: length 3.2
  TOP w0.1: L2.4 70.37,49.83 70.5,49.7 70.71,49.7 70.81,49.8 70.81,50.38 71.03,50.6 71.3,50.6 71.7,51 J3.2
DSI1_CN: length 26
  TOP w0.1: U31.23 62.68,39.38 62.36,39.06 v1(61.97,39.06)
  INT3 w0.1: v1(49.34,24.11) 49.34,24.48 49.61,24.75 49.61,25.52 52.68,28.59 52.68,30.59 60.75,38.66 61.99,38.66 62.13,38.8 62.13,38.9 v1(61.97,39.06)
  BOTTOM w0.1: v1(49.34,24.11) 49.58,23.87 49.58,23.41 49.38,23.21 J2.102
DSI1_CN_CAM0_DN1: length 16.6
  TOP w0.1: v1(68.23,47.97) 68.47,47.73 68.91,47.73 69.06,47.88 L3.1
  TOP w0.15: U31.2 v1(65.03,41.21)
  INT3 w0.15: v1(65.03,41.21) 65.26,40.92 65.23,40.65 65.48,40.33 65.48,39.65 65.78,39.35 67.13,39.35 67.43,39.65 67.43,46 66.97,46.46 66.97,47.46 67.26,47.76 67.65,47.76 67.86,47.97 v1(68.23,47.97)
DSI1_CP: length 25.5
  TOP w0.1: U31.22 v1(62.28,39.6)
  INT3 w0.1: v1(50.02,24.11) 50.02,24.48 49.8,24.7 49.8,25.43 52.88,28.51 52.88,30.51 60.83,38.46 62.07,38.46 62.27,38.66 62.43,38.82 62.43,39.45 v1(62.28,39.6)
  BOTTOM w0.1: J2.100 49.98,23.21 49.78,23.41 49.78,23.87 v1(50.02,24.11)
DSI1_CP_CAM0_DP1: length 16.4
  TOP w0.1: L3.2 69.06,47.38 68.91,47.53 68.47,47.53 v1(68.23,47.29)
  TOP w0.15: U31.1 v1(64.53,40.81)
  INT3 w0.15: v1(68.23,47.29) 67.86,47.29 67.65,47.51 67.37,47.51 67.22,47.36 67.22,46.57 67.68,46.1 67.68,39.55 67.23,39.1 65.68,39.1 65.23,39.55 65.23,40.25 65.04,40.49 64.76,40.52 v1(64.53,40.81)
DSI1_DN0: length 27.3
  TOP w0.1: U31.21 61.88,40.48 62.23,40.83 62.23,40.85 v1(62.26,40.88)
  INT3 w0.1: v1(51.14,24.11) 51.14,24.48 51.36,24.7 51.36,26.2 53.78,28.63 53.78,30.55 60.73,37.5 61.73,37.5 63.28,39.05 63.28,40.5 62.75,41.03 62.41,41.03 v1(62.26,40.88)
  BOTTOM w0.1: v1(51.14,24.11) 51.38,23.87 51.38,23.41 51.18,23.21 J2.96
DSI1_DN0_CAM0_CN: length 9.1
  TOP w0.1: v1(66.6,45.34) 66.84,45.1 67.8,45.1 68.48,45.78 68.91,45.78 69.06,45.93 L4.1
  TOP w0.15: U31.4 v1(64.33,42.01)
  INT3 w0.1: 64.45,42.13 v1(64.33,42.01)
  INT3 w0.15: v1(66.6,45.34) 66.36,45.1 65.83,45.1 65.48,44.75 65.48,43.05 64.61,42.18 64.5,42.18 64.45,42.13
DSI1_DN1: length 30.9
  TOP w0.1: v1(59.82,40.73) 59.82,40.64 59.97,40.49 60.64,40.49 U31.18
  INT3 w0.1: v1(59.82,40.73) 59.56,40.47 59.1,40.47 58.48,39.85 56.95,39.85 53.78,36.68 53.78,34.88 51.4,32.5 48.23,32.5 45.11,29.38 45.11,28.15 44.84,27.88 v1(44.84,27.51)
  BOTTOM w0.1: J2.120 43.98,22.31 44.13,22.46 44.13,25.24 45.08,26.19 45.08,27.27 v1(44.84,27.51)
DSI1_DN1_CAM0_DN0: length 12.6
  TOP w0.1: v1(68.16,50.16) 68.36,49.96 68.62,49.96 68.88,49.7 69.1,49.7 69.23,49.83 L2.1
  TOP w0.15: v1(64.5,43.43) 64.35,43.28 64.16,43.28 63.69,42.81 U31.6
  INT3 w0.15: v1(64.5,43.43) 64.68,43.62 64.68,44 64.23,44.45 64.23,47.65 66.56,49.99 67.62,49.99 67.79,50.16 v1(68.16,50.16)
DSI1_DP0: length 28.4
  TOP w0.1: U31.20 61.48,40.85 v1(61.78,41.15)
  INT3 w0.1: v1(51.82,24.11) 51.82,24.48 51.56,24.75 51.56,26.12 53.98,28.55 53.98,30.47 60.81,37.3 61.81,37.3 63.48,38.97 63.48,40.58 62.83,41.23 62.44,41.23 62.42,41.26 61.88,41.26 61.78,41.16 v1(61.78,41.15)
  BOTTOM w0.1: v1(51.82,24.11) 51.58,23.87 51.58,23.41 51.78,23.21 J2.94
DSI1_DP0_CAM0_CP: length 9.2
  TOP w0.1: L4.2 69.06,45.43 68.91,45.58 68.56,45.58 67.88,44.9 66.84,44.9 v1(66.6,44.66)
  TOP w0.15: U31.3 v1(63.93,41.61)
  INT3 w0.15: v1(63.93,41.61) 64.5,41.61 64.78,41.9 64.78,42 65.73,42.95 65.73,44.65 65.93,44.85 66.41,44.85 v1(66.6,44.66)
DSI1_DP1: length 30.6
  TOP w0.1: U31.19 60.75,40.24 59.97,40.24 59.82,40.09 v1(59.82,40)
  INT3 w0.1: v1(45.52,27.51) 45.52,27.88 45.3,28.1 45.3,29.29 48.31,32.3 51.48,32.3 53.98,34.8 53.98,36.6 57.03,39.65 58.56,39.65 59.19,40.27 59.54,40.27 v1(59.82,40)
  BOTTOM w0.1: J2.118 44.58,22.21 44.33,22.46 44.33,25.16 45.28,26.11 45.28,27.27 v1(45.52,27.51)
DSI1_DP1_CAM0_DP0: length 12.9
  TOP w0.1: v1(68.16,49.56) 68.36,49.76 68.54,49.76 68.8,49.5 69.1,49.5 69.27,49.33 L2.2
  TOP w0.15: v1(65.03,43.3) 64.76,43.03 64.26,43.03 63.64,42.41 U31.5
  INT3 w0.15: v1(68.16,49.56) 67.79,49.56 67.62,49.74 66.67,49.74 64.48,47.55 64.48,44.55 64.93,44.1 64.93,43.4 v1(65.03,43.3)
EE_CLK: length 16.5
  TOP w0.2: v1(26.93,48.7) 26.93,48.13 26.73,47.93 U19.2 ; U22.23 27.12,57.69 v1(26.91,57.47)
  BOTTOM w0.1: v1(26.91,57.47) 26.91,57.3 27.6,56.6 29.02,56.6 29.76,55.86 29.76,49.34 29.66,49.24 v2(27.63,49.24) 27.47,49.24 v1(26.93,48.7)
EE_CS: length 18.8
  TOP w0.2: v1(27.5,57.46) 27.5,57.5 27.62,57.62 U22.24 ; U19.1 25.69,49.2 v1(26.33,48.56)
  TOP w0.3: U19.1 23.69,49.2 R170.2
  BOTTOM w0.1: v1(27.5,57.46) 27.5,57.1 27.8,56.8 29.11,56.8 29.96,55.94 29.96,48.98 29.57,48.59 28.05,48.59 v2(27.4,47.94) 26.95,47.94 v1(26.33,48.56)
EE_DI: length 17.3
  TOP w0.2: U19.4 v1(26.45,45.39) ; U22.26 v1(28.62,57.46)
  BOTTOM w0.1: v1(28.62,57.46) 29.01,57.46 30.36,56.11 30.36,48.44 27.43,45.51 v2(27.43,45.39) v1(26.45,45.39)
EE_DO: length 16.5
  TOP w0.2: v1(28.07,57.46) 28.12,57.51 U22.25 ; U19.3 v1(26.45,46.66)
  BOTTOM w0.1: v1(26.45,46.66) v2(27.43,46.66) 27.93,46.66 30.16,48.9 30.16,56.03 29.19,57 28.53,57 v1(28.07,57.46)
EMMC_CLK: length 35.7
  INT1 w0.2: v1(66.67,42.3) 66.74,42.22 67.28,42.22 69.77,39.73 77.27,39.73 83.13,33.87 83.13,25.96 v1(80.58,23.41)
  BOTTOM w0.2: J2.10 v1(80.58,23.41) ; v1(66.67,42.3) 66.84,42.12 U17.P7 U17.N7 U17.M6
